# Altium PCB PT-MIS-PCB-001_v1.PcbDoc (part 1 of 2) (continued)
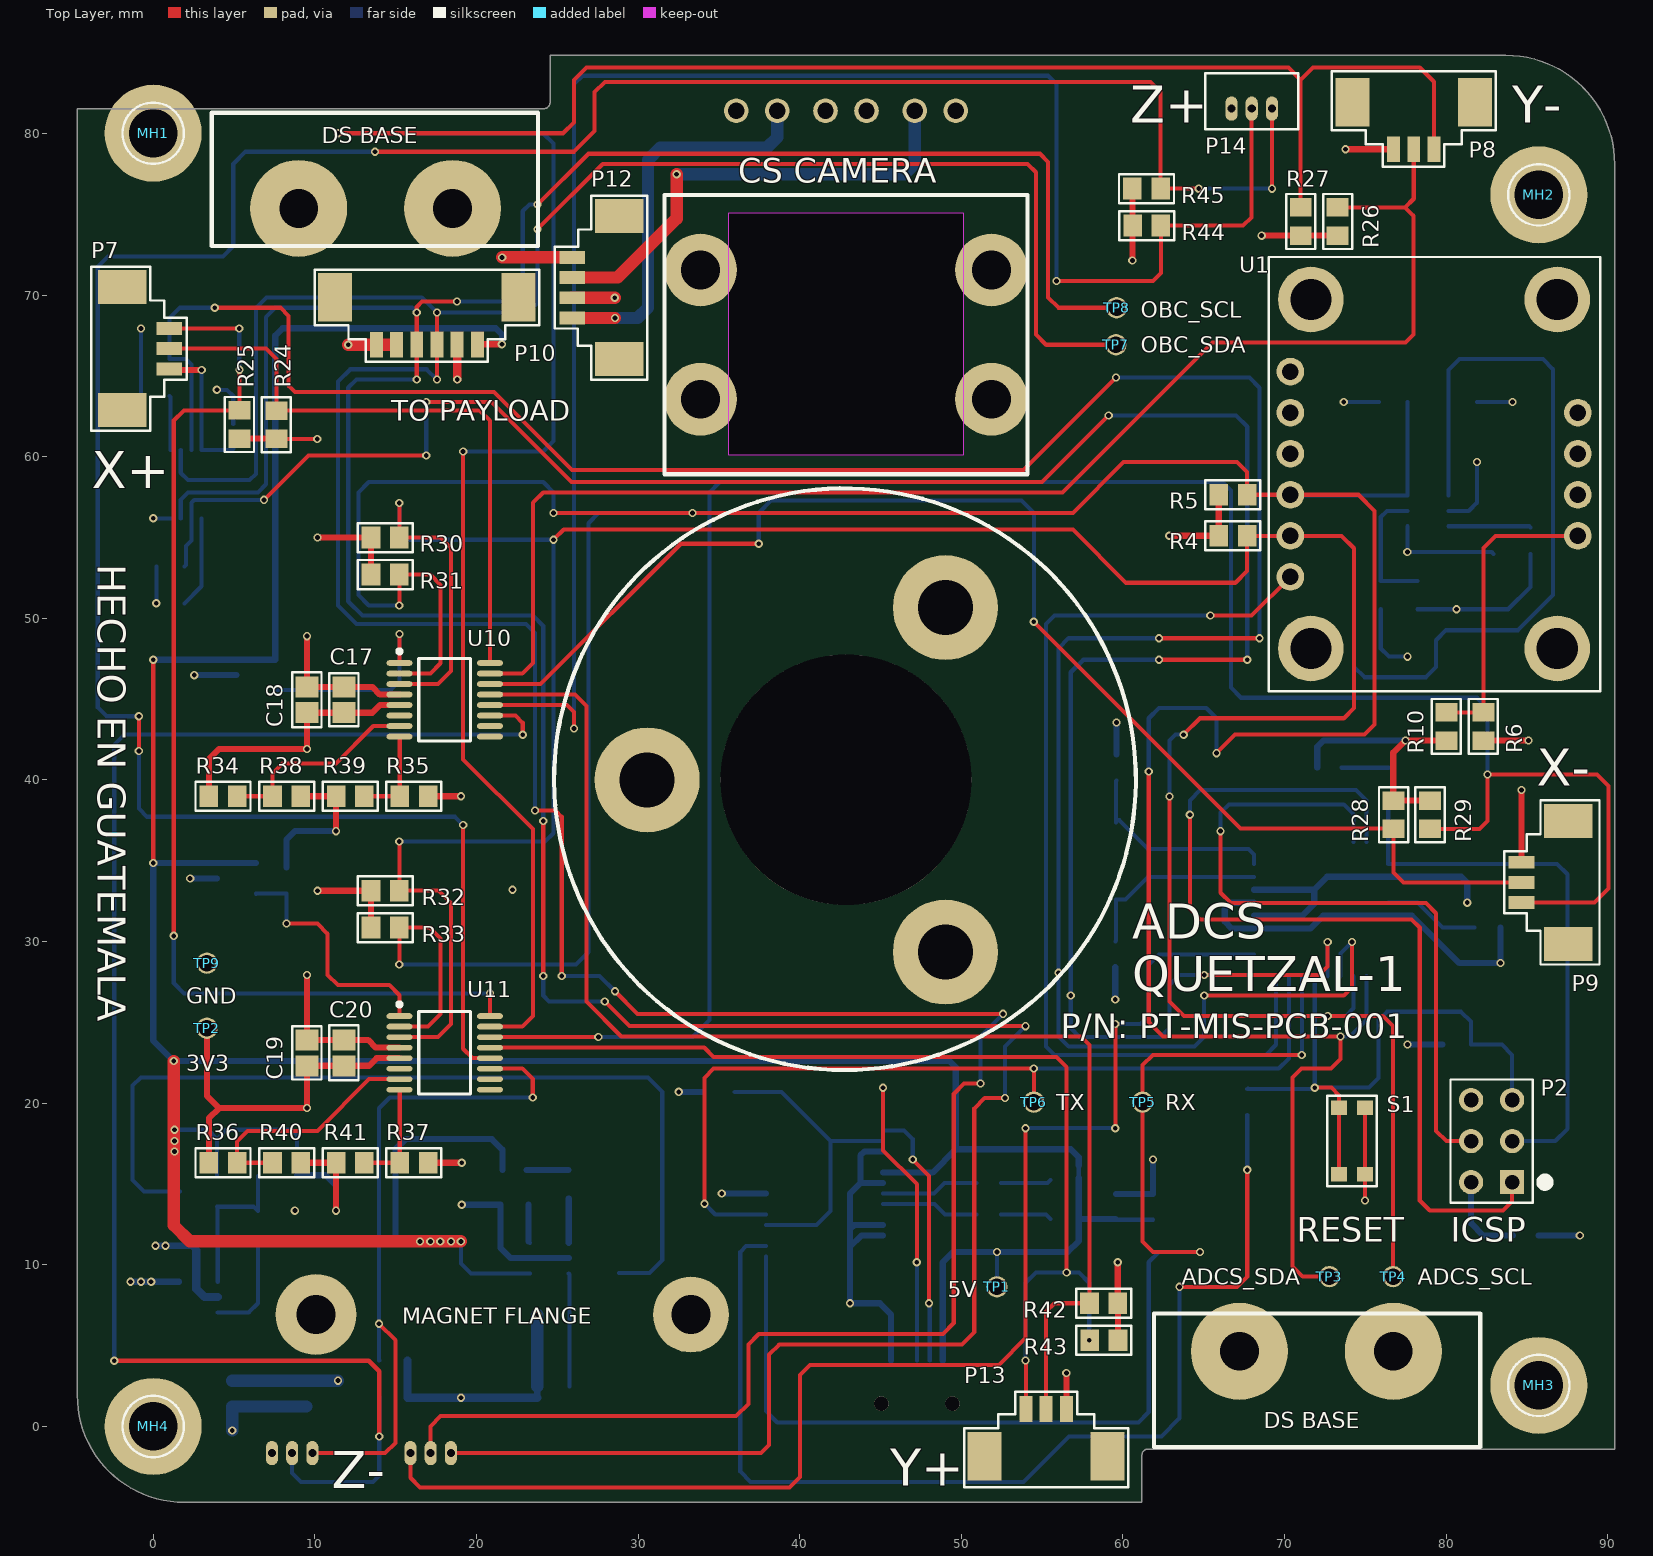
[diagram p0: Top Layer view]
## Part data (continued)
P10: "6 Positions Header, Shrouded Connector 0.049\" (1.25mm) Surface Mount, Right Angle Tin", Colour=Natural, Contact Resistance=20mR, Current Rating=1A, Flammability Rating="UL94 V-0", Insulation Resistance=100MR, Manufacturer=Molex, Manufacturer Part Number=53398-0671, Max Operating Temperature=85°C, Min Operating Temperature=-40°C, Package Quantity=1000, Supplier Part Number 1=WM7610DKR-ND, Voltage Rating=125V, Body Plating=Tin, ComponentLink1Description=https://datasheet.ciiva.com/16658/0533980671-pcb-headers-16658433.pdf, ComponentLink1URL=https://datasheet.ciiva.com/16658/0533980671-pcb-headers-16658433.pdf, ComponentLink2Description=https://datasheet.ciiva.com/34303/1932643-34303345.pdf, ComponentLink2URL=https://datasheet.ciiva.com/34303/1932643-34303345.pdf, ComponentLink3Description=https://datasheet.ciiva.com/5153/0533980671-pcb-headers-256970-5153159.pdf, ComponentLink3URL=https://datasheet.ciiva.com/5153/0533980671-pcb-headers-256970-5153159.pdf, ComponentLink4Description=https://datasheet.ciiva.com/14156/gf116833-116846-e-14156247.pdf, ComponentLink4URL=https://datasheet.ciiva.com/14156/gf116833-116846-e-14156247.pdf, ComponentLink5Description=https://datasheet.ciiva.com/46393/1849224-46393479.pdf, ComponentLink5URL=https://datasheet.ciiva.com/46393/1849224-46393479.pdf, ComponentLink6Description=https://datasheet.ciiva.com/7917/1849224-7917050.pdf, ComponentLink6URL=https://datasheet.ciiva.com/7917/1849224-7917050.pdf, ComponentLink7Description=https://datasheet.ciiva.com/7917/1849224-7917051.pdf, ComponentLink7URL=https://datasheet.ciiva.com/7917/1849224-7917051.pdf, ComponentLink8Description=https://datasheet.ciiva.com/18454/70090674-18454268.pdf, ComponentLink8URL=https://datasheet.ciiva.com/18454/70090674-18454268.pdf, ComponentLink9Description=https://datasheet.ciiva.com/11747/0900766b8078fc9e-11747389.pdf, ComponentLink9URL=https://datasheet.ciiva.com/11747/0900766b8078fc9e-11747389.pdf, ComponentLink10Description=https://datasheet.ciiva.com/22683/1632143-22683422.pdf, ComponentLink10URL=https://datasheet.ciiva.com/22683/1632143-22683422.pdf, Contact Material=Bronze,Tin, Contact Plating=Tin, Gender=Male, Glow Wire Compliant=Non-compliant, Housing Colour=Natural, Housing Material=Nylon, Lead Free="Lead Free", Lead Pitch=1.25mm, Mount="Surface Mount", Number of Circuits=6, Number of Contacts=6, Number of Positions=6, Number of Rows=1, Orientation=Vertical, Packaging="Tape and Reel", Pitch=1.25mm, Pricing 1="1=1.42, 10=1.249, 100=1.0776, 500=0.8817 (USD)", Radiation Hardening=No, REACH SVHC=Unknown, Stock 1=40236, Supplier 1=Digi-Key, Termination=Solder, Voltage Rating (AC)=125V, Voltage Rating (DC)=125V, Working Voltage=125V
P11: "CONN HEADER 3POS 1.25MM VERT TIN", Color=Natural, Manufacturer=Molex, Supplier Part Number 1=WM1732-ND, Category="Connectors, Interconnects", ComponentLink1Description=https://datasheet.ciiva.com/6813/530470310-sd-6813731.pdf, ComponentLink1URL=https://datasheet.ciiva.com/6813/530470310-sd-6813731.pdf, ComponentLink2Description=https://datasheet.ciiva.com/3935/92660530470310-pcb-headers-3935129.pdf, ComponentLink2URL=https://datasheet.ciiva.com/3935/92660530470310-pcb-headers-3935129.pdf, ComponentLink3Description=https://datasheet.ciiva.com/3117/0530470310-pcb-headers-3117581.pdf, ComponentLink3URL=https://datasheet.ciiva.com/3117/0530470310-pcb-headers-3117581.pdf, Connector Type="Header, Shrouded", Contact Finish=Tin, Contact Finish Thickness="35µin (0.90µm)", Contact Mating Length="0.089\" (2.25mm)", Contact Type="Blade Pin", Family="Rectangular Connectors - Headers, Male Pins", Fastening Type=-, Features=-, Manufacturer Part Number=0530470310, Mounting Type="Through Hole", Number of Positions=3, Number of Positions Loaded=All, Number of Rows=1, Packaging=Tray, Pitch="0.049\" (1.25mm)", Pricing 1="1=0.42, 10=0.393, 100=0.2751, 500=0.2358, 1000=0.1965, 5000=0.1685, 10000=0.1572 (USD)", Row Spacing=-, Series="PicoBlade™ 53047", Stock 1=22343, Supplier 1=Digi-Key, Termination=Solder
P12: "4 Positions Header, Shrouded Connector 0.049\" (1.25mm) Surface Mount, Right Angle Tin", Colour=Natural, Contact Resistance=20mR, Current Rating=1A, Flammability Rating="UL94 V-0", Insulation Resistance=100MR, Manufacturer=Molex, Manufacturer Part Number=53398-0471, Max Operating Temperature=85°C, Min Operating Temperature=-40°C, Package Quantity=1000, Supplier Part Number 1=WM7608CT-ND, Voltage Rating=125V, Body Plating=Tin, ComponentLink1Description=https://datasheet.ciiva.com/5154/0533980471-pcb-headers-171069-5154864.pdf, ComponentLink1URL=https://datasheet.ciiva.com/5154/0533980471-pcb-headers-171069-5154864.pdf, ComponentLink2Description=https://datasheet.ciiva.com/39121/1932627-39121616.pdf, ComponentLink2URL=https://datasheet.ciiva.com/39121/1932627-39121616.pdf, ComponentLink3Description=https://datasheet.ciiva.com/23964/0533980471-pcb-headers-23964130.pdf, ComponentLink3URL=https://datasheet.ciiva.com/23964/0533980471-pcb-headers-23964130.pdf, ComponentLink4Description=https://datasheet.ciiva.com/14156/gf116833-116846-e-14156245.pdf, ComponentLink4URL=https://datasheet.ciiva.com/14156/gf116833-116846-e-14156245.pdf, ComponentLink5Description=https://datasheet.ciiva.com/28592/0533980471-pcb-headers-28592022.pdf, ComponentLink5URL=https://datasheet.ciiva.com/28592/0533980471-pcb-headers-28592022.pdf, ComponentLink6Description=https://datasheet.ciiva.com/22700/1841151-22700615.pdf, ComponentLink6URL=https://datasheet.ciiva.com/22700/1841151-22700615.pdf, ComponentLink7Description=https://datasheet.ciiva.com/30178/225160533980471-pcb-headers-30178167.pdf, ComponentLink7URL=https://datasheet.ciiva.com/30178/225160533980471-pcb-headers-30178167.pdf, ComponentLink8Description=https://datasheet.ciiva.com/11748/0900766b80ab946a-11748472.pdf, ComponentLink8URL=https://datasheet.ciiva.com/11748/0900766b80ab946a-11748472.pdf, ComponentLink9Description=https://datasheet.ciiva.com/31408/0533980471-pcb-headers-31408393.pdf, ComponentLink9URL=https://datasheet.ciiva.com/31408/0533980471-pcb-headers-31408393.pdf, ComponentLink10Description=https://datasheet.ciiva.com/46384/1788582-46384012.pdf, ComponentLink10URL=https://datasheet.ciiva.com/46384/1788582-46384012.pdf, ComponentLink11Description=https://datasheet.ciiva.com/9468/0533980471-pcb-headers-9468286.pdf, ComponentLink11URL=https://datasheet.ciiva.com/9468/0533980471-pcb-headers-9468286.pdf, ComponentLink12Description=https://datasheet.ciiva.com/16658/0533980471-pcb-headers-16658431.pdf, ComponentLink12URL=https://datasheet.ciiva.com/16658/0533980471-pcb-headers-16658431.pdf, Contact Material=Bronze,Brass,Tin, Contact Plating=Tin, Gender=Male, Glow Wire Compliant=Non-compliant, Housing Colour=Natural, Housing Material=Nylon, Lead Free="Lead Free", Lead Pitch=1.25mm, Mount="Surface Mount", Number of Circuits=4, Number of Contacts=4, Number of Positions=4, Number of Rows=1, Orientation=Vertical, Packaging="Tape and Reel", Pitch=1.25mm, Pricing 1="1=1.19, 10=1.044, 100=0.901, 500=0.73716 (USD)", Radiation Hardening=No, REACH SVHC=Unknown, Stock 1=49208, Supplier 1=Digi-Key, Termination=Solder, Voltage Rating (AC)=125V, Voltage Rating (DC)=125V, Working Voltage=125V
P14 P15: "Conn Wire to Board HDR 3 POS 1.25mm Solder ST Thru-Hole PicoBlade™ Tray", Color=Natural, Manufacturer=Molex, Supplier Part Number 1=WM1732-ND, Category="Connectors, Interconnects", ComponentLink1Description=https://datasheet.ciiva.com/6813/530470310-sd-6813731.pdf, ComponentLink1URL=https://datasheet.ciiva.com/6813/530470310-sd-6813731.pdf, ComponentLink2Description=https://datasheet.ciiva.com/3935/92660530470310-pcb-headers-3935129.pdf, ComponentLink2URL=https://datasheet.ciiva.com/3935/92660530470310-pcb-headers-3935129.pdf, ComponentLink3Description=https://datasheet.ciiva.com/3117/0530470310-pcb-headers-3117581.pdf, ComponentLink3URL=https://datasheet.ciiva.com/3117/0530470310-pcb-headers-3117581.pdf, Connector Type="Header, Shrouded", Contact Finish=Tin, Contact Finish Thickness="35µin (0.90µm)", Contact Mating Length="0.089\" (2.25mm)", Contact Type="Blade Pin", Family="Rectangular Connectors - Headers, Male Pins", Fastening Type=-, Features=-, Manufacturer Part Number=0530470310, Mounting Type="Through Hole", Number of Positions=3, Number of Positions Loaded=All, Number of Rows=1, Packaging=Tray, Pitch="0.049\" (1.25mm)", Pricing 1="1=0.42, 10=0.393, 100=0.2751, 500=0.2358, 1000=0.1965, 5000=0.1685, 10000=0.1572 (USD)", Row Spacing=-, Series="PicoBlade™ 53047", Stock 1=22343, Supplier 1=Digi-Key, Termination=Solder
Q1: "MOSFET P-CH 20V 4A SOT-23", Drain-Source On Resistance-Max="39 mO", Drain-to-Source Voltage [Vdss]="20 V", Manufacturer=Diodes, Rated Power Dissipation="900 mW", Supplier Part Number 1=DMG3415UDICT-ND, Channel Type=P-Channel, ComponentLink1Description=https://datasheet.ciiva.com/11174/ds31735-11174977.pdf, ComponentLink1URL=https://datasheet.ciiva.com/11174/ds31735-11174977.pdf, ComponentLink2Description=https://datasheet.ciiva.com/935/ds31735-935013.pdf, ComponentLink2URL=https://datasheet.ciiva.com/935/ds31735-935013.pdf, ComponentLink3Description=https://datasheet.ciiva.com/935/ds31735-935014.pdf, ComponentLink3URL=https://datasheet.ciiva.com/935/ds31735-935014.pdf, ComponentLink4Description=https://datasheet.ciiva.com/935/ds31735-935015.pdf, ComponentLink4URL=https://datasheet.ciiva.com/935/ds31735-935015.pdf, ComponentLink5Description=https://datasheet.ciiva.com/13061/ds31735-64958-13061831.pdf, ComponentLink5URL=https://datasheet.ciiva.com/13061/ds31735-64958-13061831.pdf, ComponentLink6Description=https://datasheet.ciiva.com/22712/1915618-22712394.pdf, ComponentLink6URL=https://datasheet.ciiva.com/22712/1915618-22712394.pdf, ComponentLink7Description=https://datasheet.ciiva.com/8023/ds31735-8023980.pdf, ComponentLink7URL=https://datasheet.ciiva.com/8023/ds31735-8023980.pdf, ComponentLink8Description=https://datasheet.ciiva.com/8115/ds31735-8115357.pdf, ComponentLink8URL=https://datasheet.ciiva.com/8115/ds31735-8115357.pdf, ComponentLink9Description=https://datasheet.ciiva.com/16387/ds31735-16387485.pdf, ComponentLink9URL=https://datasheet.ciiva.com/16387/ds31735-16387485.pdf, Manufacturer Part Number=DMG3415U-7, Pricing 1="1=0.54, 10=0.38, 100=0.2493, 500=0.1473, 1000=0.1133 (USD)", Qg Gate Charge="9.1 nC", Stock 1=2010, Supplier 1=Digi-Key
R1 R2 R7 R8 R11 R14 R15: "RES SMD 10K OHM 1% 1/8W 0805", Case Code - in=0805, Case Code - mm=2012, Manufacturer=Yageo, Operating Temperature Range="- 55 C to + 155 C", Power Rating="125 mW (1/8 W)", Resistance=10k, Supplier Part Number 1=311-10.0KCRCT-ND, Temperature Coefficient="100 PPM / C", Tolerance="1 %", Voltage Rating="150 V", ComponentLink1Description=https://datasheet.ciiva.com/11808/0900766b8106beab-11808151.pdf, ComponentLink1URL=https://datasheet.ciiva.com/11808/0900766b8106beab-11808151.pdf, ComponentLink2Description=https://datasheet.ciiva.com/12669/rc0805-12669688.pdf, ComponentLink2URL=https://datasheet.ciiva.com/12669/rc0805-12669688.pdf, ComponentLink3Description=https://datasheet.ciiva.com/46447/444164-46447563.pdf, ComponentLink3URL=https://datasheet.ciiva.com/46447/444164-46447563.pdf, ComponentLink4Description=https://datasheet.ciiva.com/2456/pyu-r-int-thick-7-2456972.pdf, ComponentLink4URL=https://datasheet.ciiva.com/2456/pyu-r-int-thick-7-2456972.pdf, ComponentLink5Description=https://datasheet.ciiva.com/2456/pyu-r-int-thick-7-2456973.pdf, ComponentLink5URL=https://datasheet.ciiva.com/2456/pyu-r-int-thick-7-2456973.pdf, ComponentLink6Description=https://datasheet.ciiva.com/2456/pyu-r-int-thick-7-2456974.pdf, ComponentLink6URL=https://datasheet.ciiva.com/2456/pyu-r-int-thick-7-2456974.pdf, ComponentLink7Description=https://datasheet.ciiva.com/16747/rc0805-16747087.pdf, ComponentLink7URL=https://datasheet.ciiva.com/16747/rc0805-16747087.pdf, Manufacturer Part Number=RC0805FR-0710KL, Packaging=Reel, Pricing 1="1=0.1, 10=0.022, 100=0.0088, 1000=0.004, 2500=0.0034 (USD)", Product="Thick Film Resistors General Purpose", Series=RC, Stock 1=19355771, Supplier 1=Digi-Key, Termination Style=SMD/SMT
R3 R13 R16 R17 R18: "RNCP 0805 0.25W 1kO ±1% ±100ppm/°C High Power Anti-Sulfur ThinFilm Chip Resistor", Manufacturer="Stackpole Electronics", Operating Temperature="-55°C ~ 155°C", Package / Case="0805 (2012 Metric)", Power (Watts)="0.25W, 1/4W", Resistance (Ohms)=1k, Supplier Device Package=0805, Supplier Part Number 1=RNCP0805FTD1K00CT-ND, Temperature Coefficient=±100ppm/°C, Tolerance=±1%, Category=Resistors, ComponentLink1Description=http://www.seielect.com/Catalog/SEI-rncp.pdf, ComponentLink1URL=http://www.seielect.com/Catalog/SEI-rncp.pdf, Composition="Thin Film", Family="Chip Resistor - Surface Mount", Features="Anti-Sulfur, Moisture Resistant", Height="0.024\" (0.60mm)", Manufacturer Part Number=RNCP0805FTD1K00, Number of Terminations=2, Packaging="Tape & Reel (TR)", Pricing 1="1=0.1, 10=0.037, 100=0.015, 1000=0.0067, 2500=0.0058 (USD)", Series=RNCP, Size / Dimension="0.079\" L x 0.049\" W (2.00mm x 1.25mm)", Stock 1=95093, Supplier 1=Digi-Key
R4 R5 R6 R10 R20 R21 R22 R30 R31 R32 R33 R34 R35 R36 R37 R38 R39 R40 R41: "RES SMD 10K OHM 0.5% 1/10W 0805", Case Code - in=0805, Case Code - mm=2012, Manufacturer=Susumu, Operating Temperature Range="- 55 C to + 125 C", Package / Case="0805 (2012 metric)", Power Rating="100 mW", Resistance=10k, Supplier Part Number 1=RR12P10.0KDCT-ND, Temperature Coefficient="25 PPM / C", Tolerance="0.5 %", Voltage Rating="100 V", Brand=Susumu, ComponentLink1Description=https://datasheet.ciiva.com/2487/rr-data-sheet-2487031.pdf, ComponentLink1URL=https://datasheet.ciiva.com/2487/rr-data-sheet-2487031.pdf, ComponentLink2Description=https://datasheet.ciiva.com/2487/rr-data-sheet-2487032.pdf, ComponentLink2URL=https://datasheet.ciiva.com/2487/rr-data-sheet-2487032.pdf, ComponentLink3Description=https://datasheet.ciiva.com/11820/0900766b80808d64-11820664.pdf, ComponentLink3URL=https://datasheet.ciiva.com/11820/0900766b80808d64-11820664.pdf, ComponentLink4Description=https://datasheet.ciiva.com/2487/rr-data-sheet-2487033.pdf, ComponentLink4URL=https://datasheet.ciiva.com/2487/rr-data-sheet-2487033.pdf, ComponentLink5Description=https://datasheet.ciiva.com/7984/1581132-7984412.pdf, ComponentLink5URL=https://datasheet.ciiva.com/7984/1581132-7984412.pdf, Height="0.4 mm", Length="2 mm", Manufacturer Part Number=RR1220P-103-D, Packaging=Reel, Pricing 1="1=0.11, 10=0.098, 100=0.0376, 1000=0.0165, 2500=0.0143 (USD)", Product="Thin Film Resistors SMD", Product Category="Thin Film Resistors", RoHS=True, Stock 1=841412, Supplier 1=Digi-Key, Termination Style=SMD/SMT, Unit Weight="0.000194 oz", Width="1.25 mm"
R9 R12 R23: "RES SMD 100K OHM 5% 1/4W 0805", Manufacturer="Stackpole Electronics", Operating Temperature="-55°C ~ 155°C", Package / Case="0805 (2012 Metric)", Power (Watts)="0.25W, 1/4W", Resistance (Ohms)=100k, Standard Package=5,000, Supplier Device Package=0805, Supplier Part Number 1=RPC0805JT100KCT-ND, Temperature Coefficient=±100ppm/°C, Tolerance=±5%, Category=Resistors, ComponentLink1Description=https://www.seielect.com/Catalog/SEI-rpc.pdf, ComponentLink1URL=https://www.seielect.com/Catalog/SEI-rpc.pdf, ComponentLink2Description=http://www.seielect.com/Catalog/SEI-RPC.pdf, ComponentLink2URL=http://www.seielect.com/Catalog/SEI-RPC.pdf, Composition="Thick Film", Family="Chip Resistor - Surface Mount", Features="Pulse Withstanding", Height="0.028\" (0.70mm)", Manufacturer Part Number=RPC0805JT100K, Minimum Quantity=100k, Number of Terminations=2, Packaging="Tape & Reel (TR)", Pricing 1="1=0.2, 10=0.173, 100=0.0676, 1000=0.0283, 2500=0.026 (USD)", Product Training Modules="Pulse Handling Resistor Solutions", Quantity Available="Tape & Reel (TR)", RoHS Information="RoHS Compliance", Series=RPC, Size / Dimension="0.079\" L x 0.049\" W (2.00mm x 1.25mm)", Stock 1=10226, Supplier 1=Digi-Key, Unit PriceUSD=RPC
R19: "YAGEO (PHYCOMP)         RC0805FR-0710ML             SMD Chip Resistor, Thick Film, 10 Mohm, 150 V, 0805 [2012 Metric], 250 mW,  1%, RC Series", Case Code - in=0805, Case Code - mm=2012, Manufacturer=Yageo, Operating Temperature Range="- 55 C to + 155 C", Power Rating="125 mW (1/8 W)", Resistance=1M, Supplier Part Number 1=311-10.0MCRCT-ND, Temperature Coefficient="100 PPM / C", Tolerance="1 %", Voltage Rating="150 V", ComponentLink1Description=https://datasheet.ciiva.com/11819/0900766b8106beab-11819794.pdf, ComponentLink1URL=https://datasheet.ciiva.com/11819/0900766b8106beab-11819794.pdf, ComponentLink2Description=https://datasheet.ciiva.com/7941/444164-7941685.pdf, ComponentLink2URL=https://datasheet.ciiva.com/7941/444164-7941685.pdf, ComponentLink3Description=https://datasheet.ciiva.com/7941/444164-7941686.pdf, ComponentLink3URL=https://datasheet.ciiva.com/7941/444164-7941686.pdf, ComponentLink4Description=https://datasheet.ciiva.com/46447/444164-46447564.pdf, ComponentLink4URL=https://datasheet.ciiva.com/46447/444164-46447564.pdf, ComponentLink5Description=https://datasheet.ciiva.com/12667/rc0805-12667934.pdf, ComponentLink5URL=https://datasheet.ciiva.com/12667/rc0805-12667934.pdf, ComponentLink6Description=https://datasheet.ciiva.com/16741/rc0805-16741023.pdf, ComponentLink6URL=https://datasheet.ciiva.com/16741/rc0805-16741023.pdf, Manufacturer Part Number=RC0805FR-0710ML, Packaging=Reel, Pricing 1="1=0.1, 10=0.023, 100=0.0095, 1000=0.0043, 2500=0.0037 (USD)", Product="Thick Film Resistors General Purpose", Series=RC, Stock 1=689794, Supplier 1=Digi-Key, Termination Style=SMD/SMT
R24 R25 R26 R27 R28 R29 R42 R43 R44 R45 R46 R47: "RES SMD 59K OHM 0.1% 1/8W 0805", Case/Package=0805, Case Code (Metric)=2012, Manufacturer=Panasonic, Max Operating Temperature=155°C, Max Power Dissipation=125mW, Min Operating Temperature=-55°C, Package Quantity=1, Resistance=59k, Supplier Part Number 1=P59KDACT-ND, Temperature Coefficient=25ppm/°C, Tolerance=0.1%, Voltage Rating=100V, Case Code (Imperial)=0805, ComponentLink1Description=http://industrial.panasonic.com/www-data/pdf/AOA0000/AOA0000CE26.pdf?src-supplier=Avnet, ComponentLink1URL=http://industrial.panasonic.com/www-data/pdf/AOA0000/AOA0000CE26.pdf?src-supplier=Avnet, ComponentLink2Description=http://www.farnell.com/datasheets/485442.pdf?src-supplier=Farnell, ComponentLink2URL=http://www.farnell.com/datasheets/485442.pdf?src-supplier=Farnell, ComponentLink3Description=http://industrial.panasonic.com/www-data/pdf/AOA0000/AOA0000CE26.pdf?src-supplier=Avnet+Europe, ComponentLink3URL=http://industrial.panasonic.com/www-data/pdf/AOA0000/AOA0000CE26.pdf?src-supplier=Avnet+Europe, ComponentLink4Description=http://uk.rs-online.com/webdocs/0eb1/0900766b80eb1d8c.pdf?src-supplier=RSComponents, ComponentLink4URL=http://uk.rs-online.com/webdocs/0eb1/0900766b80eb1d8c.pdf?src-supplier=RSComponents, ComponentLink5Description=http://www.produktinfo.conrad.com/datenblaetter/1100000-1199999/001181336-da-01-en-WIDERSTAND_ERA_0805_59K0_0_1__5000ST.pdf?src-supplier=Conrad, ComponentLink5URL=http://www.produktinfo.conrad.com/datenblaetter/1100000-1199999/001181336-da-01-en-WIDERSTAND_ERA_0805_59K0_0_1__5000ST.pdf?src-supplier=Conrad, Composition="Metal Film,Thin Film", Contact Plating=Tin, Depth=1.25mm, Features="Automotive AEC-Q200", Height=0.5mm, Lead Free="Lead Free", Length=2mm, Manufacturer Part Number=ERA6AEB5902V, Military Standard=Not, Mount="Surface Mount", Number of Pins=2, Number of Terminations=2, Packaging="Tape and Reel", Power Rating=125mW, Pricing 1="1=0.36, 10=0.302, 100=0.1182, 1000=0.04948, 2500=0.04536 (USD)", Radiation Hardening=No, Stock 1=12781, Supplier 1=Digi-Key, Termination=Solder, Voltage Rating (DC)=100V, Width=1.25mm
S1: "SWITCH TACTILE SPST-NO 50MA 32V", Manufacturer="ITT C&K", Max Operating Temperature=85°C, Min Operating Temperature=-40°C, Operating Force=300gf, Ratings="Dust Tight,IP67,Waterproof", Supplier Part Number 1=CKN10685DKR-ND, Actuator Type=Standard, Illumination Type=Non-Illuminated, Manufacturer Part Number=KMR631NGULCLFS, Mechanical Life=150000Cycles, Mount="Surface Mount", Packaging="Tape and Reel", Stock 1=0, Supplier 1=Digi-Key, Switch Function=Off-Mom, Termination="Gull Wing", Throw Configuration=SPST
TP1 TP2 TP3 TP4 TP5 TP6 TP7 TP8 TP9: library part Testpoint
U1: "A 9-DOF A O IMU F B - BNO055", Manufacturer="Adafruit Industries", Supplier Part Number 1=1528-1426-ND, Voltage - Supply=-, Category="Programmers, Development Systems", ComponentLink1Description=https://learn.adafruit.com/downloads/pdf/adafruit-bno055-absolute-orientation-sensor.pdf, ComponentLink1URL=https://learn.adafruit.com/downloads/pdf/adafruit-bno055-absolute-orientation-sensor.pdf, Embedded="Yes, MCU, 32-Bit", Family="Evaluation Boards - Sensors", Interface=-, Manufacturer Part Number=2472, Pricing 1="1=34.95 (USD)", Sensing Range=-, Sensitivity=-, Sensor Type="Accelerometer, Gyroscope, Magnetometer, 3 Axis", Series=-, Stock 1=281, Supplied Contents=Board, Supplier 1=Digi-Key, Utilized IC / Part=BNO055
U2: "SENSOR DIGITAL -55C-125C SOT23-6", Manufacturer="Texas Instruments", Max Operating Temperature=125°C, Min Operating Temperature=-40°C, Supplier Part Number 1=296-48716-6-ND, Interface=2-Wire,I2C,SMBus, Manufacturer Part Number=TMP100AQDBVRQ1, Pricing 1="1=2.08, 10=1.872, 100=1.505, 500=1.23652, 1000=1.02454 (USD)", Stock 1=2243, Supplier 1=Digi-Key
U3: "MICROCHIP         MCP73831T-2ATI/OT             Single Cell Li Ion/Li Polymer Charge Management Controller in SOT-23-5 Package", Manufacturer=Microchip, Maximum Operating Temperature="+85 °C", Maximum Output Current=500mA, Maximum Output Voltage="4.232 V", Minimum Operating Temperature="-40 °C", Minimum Output Current=15mA, Minimum Output Voltage="4.168 V", Package Type=SOT-23, Supplier Part Number 1=MCP73831T-2ATI/OTCT-ND, Typical Operating Supply Voltage="3.75 ? 6 V", Battery Type="Lithium-Ion, Lithium-Polymer", ComponentLink1Description=https://datasheet.ciiva.com/1931/21984e-1931956.pdf, ComponentLink1URL=https://datasheet.ciiva.com/1931/21984e-1931956.pdf, ComponentLink2Description=https://datasheet.ciiva.com/1931/21984e-1931957.pdf, ComponentLink2URL=https://datasheet.ciiva.com/1931/21984e-1931957.pdf, ComponentLink3Description=https://datasheet.ciiva.com/1931/21984e-1931958.pdf, ComponentLink3URL=https://datasheet.ciiva.com/1931/21984e-1931958.pdf, ComponentLink4Description=https://datasheet.ciiva.com/17299/21984e-17299304.pdf, ComponentLink4URL=https://datasheet.ciiva.com/17299/21984e-17299304.pdf, ComponentLink5Description=https://datasheet.ciiva.com/1137/630369-1137804.pdf, ComponentLink5URL=https://datasheet.ciiva.com/1137/630369-1137804.pdf, ComponentLink6Description=https://datasheet.ciiva.com/8039/630369-8039388.pdf, ComponentLink6URL=https://datasheet.ciiva.com/8039/630369-8039388.pdf, ComponentLink7Description=https://datasheet.ciiva.com/16217/filehandler-aspxddocname-en025112-16217052.pdf, ComponentLink7URL=https://datasheet.ciiva.com/16217/filehandler-aspxddocname-en025112-16217052.pdf, ComponentLink8Description=https://datasheet.ciiva.com/3213/21984e-3213405.pdf, ComponentLink8URL=https://datasheet.ciiva.com/3213/21984e-3213405.pdf, ComponentLink9Description=https://datasheet.ciiva.com/26344/651522-da-01-en-contr-mcp73831t-2ati-ot-sot-23-5-mcp-26344457.pdf, ComponentLink9URL=https://datasheet.ciiva.com/26344/651522-da-01-en-contr-mcp73831t-2ati-ot-sot-23-5-mcp-26344457.pdf, Dimensions="3.1 x 1.8 x 1.3mm", Height=1.3mm, Length=3.1mm, Manufacturer Part Number=MCP73831T-2ATI/OT, Mounting Type="Surface Mount", Pin Count=5, Pricing 1="1=0.59, 25=0.4984, 100=0.4452 (USD)", Stock 1=3788, Supplier 1=Digi-Key, Width=1.8mm
U4: "IC REG LDO 3.3V 0.6A SOT25", Input Voltage Range="2.5 to 6 V", Junction to Case="96 C/W", Manufacturer=Diodes, Maximum Dropout Voltage @ Current="0.008@10mA|0.2@300mA|0.4@600mA V", Maximum Input Voltage="6 V", Maximum Output Current="0.6 A", Maximum Quiescent Current="0.08 mA", Max Processing Temp=260, Minimum Input Voltage="2.5 V", Operating Temperature="-40 to 85 C", Output Voltage="3.3 V", Supplier Part Number 1=AP2112K-3.3TRG1DICT-ND, Typical Dropout Voltage @ Current="0.005@10mA|0.125@300mA|0.25@600mA V", Typical Quiescent Current="0.055 mA", Accuracy="1.5 %", ComponentLink1Description=https://datasheet.ciiva.com/30016/ap2112-30016792.pdf, ComponentLink1URL=https://datasheet.ciiva.com/30016/ap2112-30016792.pdf, ComponentLink2Description=https://datasheet.ciiva.com/29569/ap2112-29569917.pdf, ComponentLink2URL=https://datasheet.ciiva.com/29569/ap2112-29569917.pdf, ComponentLink3Description=https://datasheet.ciiva.com/29569/ap2112-29569918.pdf, ComponentLink3URL=https://datasheet.ciiva.com/29569/ap2112-29569918.pdf, ComponentLink4Description=https://datasheet.ciiva.com/29569/ap2112-29569919.pdf, ComponentLink4URL=https://datasheet.ciiva.com/29569/ap2112-29569919.pdf, Function=LDO, Junction to Ambient="184 C/W", Line Regulation="0.1 %/V", Load Regulation="1000 %/mA", Manufacturer Part Number=AP2112K-3.3TRG1, Mounting="Surface Mount", Number of Outputs=1, Output Type=Fixed, Polarity=Positive, Pricing 1="1=0.48, 10=0.362, 100=0.2255, 500=0.1543, 1000=0.1187 (USD)", Screening Level=Industrial, Stock 1=156715, Supplier 1=Digi-Key
U5: library part ATMEGA328P-AUR, "MCU 8-bit ATmega AVR RISC 32KB Flash 2.5V/3.3V/5V 32-Pin TQFP T/R", Manufacturer="Microchip / Atmel", Operating Temperature="-40°C ~ 85°C", Package / Case=32-TQFP, Standard Package=2,000, Voltage - Supply (Vcc/Vdd)="1.8 V ~ 5.5 V", Category="Integrated Circuits (ICs)", ComponentLink1Description=http://www.atmel.com/images/atmel-8271-8-bit-avr-microcontroller-atmega48a-48pa-88a-88pa-168a-168pa-328-328p_datasheet_summary.pdf, ComponentLink1URL=http://www.atmel.com/images/atmel-8271-8-bit-avr-microcontroller-atmega48a-48pa-88a-88pa-168a-168pa-328-328p_datasheet_summary.pdf, Connectivity="I²C, SPI, UART/USART", Core Processor=AVR, Core Size=8-Bit, Data Converters="A/D 8x10b", Dynamic Catalog="AVR® ATmega", EEPROM Size="1K x 8", Family="Embedded - Microcontrollers", For Use With="ATSTK600-RC29-ND / - STK600 ROUTING CARD AVR", Manufacturer Part Number=ATMEGA328P-AUR, Number of I /O=23, Oscillator Type=Internal, Other Names=ATMEGA328P-AUR-ND, Packaging="Tape & Reel (TR)", Peripherals="Brown-out Detect/Reset, POR, PWM, WDT", Pricing 1="1=2.2, 25=2.0248, 100=1.8338 (USD)", Product Training Modules="MCU Product Line Introduction /  / megaAVR Introduction", Program Memory Size="32KB (16K x 16)", Program Memory Type=FLASH, RAM Size="2K x 8", Series="AVR® ATmega", Speed=20MHz, Stock 1=41082, Supplier 1=Digi-Key, Supplier Part Number 1=ATMEGA328P-AURCT-ND
U6: "IC USB FS SERIAL UART 28-SSOP", Case/Package=SSOP, Manufacturer=FTDI, Max Operating Temperature=85°C, Max Supply Voltage=5.25V, Min Operating Temperature=-40°C, Min Supply Voltage=3.3V, Operating Supply Current=15mA, Package Quantity=2000, Supplier Part Number 1=768-1007-6-ND, Voltage=5V, ComponentLink1Description=https://datasheet.ciiva.com/34304/2161019-34304054.pdf, ComponentLink1URL=https://datasheet.ciiva.com/34304/2161019-34304054.pdf, ComponentLink2Description=https://datasheet.ciiva.com/1787/ds-ft232r-1787047.pdf, ComponentLink2URL=https://datasheet.ciiva.com/1787/ds-ft232r-1787047.pdf, ComponentLink3Description=https://datasheet.ciiva.com/1787/ds-ft232r-1787048.pdf, ComponentLink3URL=https://datasheet.ciiva.com/1787/ds-ft232r-1787048.pdf, ComponentLink4Description=https://datasheet.ciiva.com/1787/ds-ft232r-1787049.pdf, ComponentLink4URL=https://datasheet.ciiva.com/1787/ds-ft232r-1787049.pdf, ComponentLink5Description=https://datasheet.ciiva.com/4787/ds-ft232r-11534-4787658.pdf, ComponentLink5URL=https://datasheet.ciiva.com/4787/ds-ft232r-11534-4787658.pdf, ComponentLink6Description=https://datasheet.ciiva.com/15150/getdatasheetpartid-643207-15150506.pdf, ComponentLink6URL=https://datasheet.ciiva.com/15150/getdatasheetpartid-643207-15150506.pdf, ComponentLink7Description=https://datasheet.ciiva.com/16200/ds-ft232r-16200652.pdf, ComponentLink7URL=https://datasheet.ciiva.com/16200/ds-ft232r-16200652.pdf, ComponentLink8Description=https://datasheet.ciiva.com/26841/ft232rl-reel-26841080.pdf, ComponentLink8URL=https://datasheet.ciiva.com/26841/ft232rl-reel-26841080.pdf, Data Rate=12Mbps, Height=1.75mm, Interface=RS-232,RS-422,RS-485,UART, Lead Free="Lead Free", Length=10.2mm, Manufacturer Part Number=FT232RL-REEL, Mount="Surface Mount", Number of Channels=1, Number of Pins=28, Number of Transceivers=1, Packaging="Tape and Reel", Pricing 1="1=4.5, 10=4.05, 100=3.65, 250=3.25, 500=2.85002, 1000=2.65 (USD)", Radiation Hardening=No, REACH SVHC="No SVHC", Stock 1=281044, Supplier 1=Digi-Key, Weight=0.080001oz, Width=5.3mm
U7 U8: "TEXAS INSTRUMENTS   LM4120AIM5-3.3/NOPB   VOLTAGE REF, SERIES, 3.3V, SOT-23-5", Case/Package=SOT-23, Dropout Voltage=180mV, Manufacturer="Texas Instruments", Max Input Voltage=14V, Max Operating Temperature=85°C, Max Output Current=5mA, Max Output Voltage=3.3V, Max Power Dissipation=350mW, Min Input Voltage=2V, Min Operating Temperature=-40°C, Nominal Supply Current=160uA, Package Quantity=1000, Supplier Part Number 1=LM4120AIM5-3.3/NOPBDKR-ND, Temperature Coefficient=50ppm/°C, Tolerance=0.2%, ComponentLink1Description=https://datasheet.ciiva.com/15148/getdatasheetpartid-98048-15148598.pdf, ComponentLink1URL=https://datasheet.ciiva.com/15148/getdatasheetpartid-98048-15148598.pdf, ComponentLink2Description=https://datasheet.ciiva.com/3236/lm4120-3236008.pdf, ComponentLink2URL=https://datasheet.ciiva.com/3236/lm4120-3236008.pdf, ComponentLink3Description=https://datasheet.ciiva.com/6597/lm4120-6597544.pdf, ComponentLink3URL=https://datasheet.ciiva.com/6597/lm4120-6597544.pdf, ComponentLink4Description=https://datasheet.ciiva.com/8060/37011-8060248.pdf, ComponentLink4URL=https://datasheet.ciiva.com/8060/37011-8060248.pdf, ComponentLink5Description=https://datasheet.ciiva.com/26064/lm4120-26064202.pdf, ComponentLink5URL=https://datasheet.ciiva.com/26064/lm4120-26064202.pdf, ComponentLink6Description=https://datasheet.ciiva.com/3236/lm4120-3236603.pdf, ComponentLink6URL=https://datasheet.ciiva.com/3236/lm4120-3236603.pdf, ComponentLink7Description=https://datasheet.ciiva.com/6597/lm4120-6597534.pdf, ComponentLink7URL=https://datasheet.ciiva.com/6597/lm4120-6597534.pdf, ComponentLink8Description=https://datasheet.ciiva.com/34301/887588-34301662.pdf, ComponentLink8URL=https://datasheet.ciiva.com/34301/887588-34301662.pdf, Height=1.02mm, Lead Free="Lead Free", Length=2.92mm, Manufacturer Part Number=LM4120AIM5-3.3/NOPB, Mount="Surface Mount", Number of Channels=1, Number of Pins=5, Output Current=5mA, Output Voltage=3.3V, Packaging="Tape and Reel", Pricing 1="1=2.19, 10=1.965, 100=1.5796, 500=1.2978 (USD)", Quiescent Current=160uA, Radiation Hardening=No, REACH SVHC="No SVHC", Reference Type=Series,Fixed, Reference Voltage=3.3V, Stock 1=24909, Supplier 1=Digi-Key, Width=1.6mm
U9: "IC REDRIVER I2C HOTSWAP 8VSSOP", Case/Package=VSSOP, Manufacturer="Texas Instruments", Max Frequency=400kHz, Max Operating Temperature=85°C, Max Supply Current=7mA, Max Supply Voltage=5.5V, Min Operating Temperature=-40°C, Min Supply Voltage=2.7V, Operating Supply Current=5.1mA, Package Quantity=1, Supplier Part Number 1=296-28328-1-ND, ComponentLink1Description=https://datasheet.ciiva.com/1783/tca4311a-1783458.pdf?src-supplier=Digi-Key, ComponentLink1URL=https://datasheet.ciiva.com/1783/tca4311a-1783458.pdf?src-supplier=Digi-Key, ComponentLink2Description=https://datasheet.ciiva.com/15100/getdatasheetpartid-690615-15100141.pdf?src-supplier=Verical, ComponentLink2URL=https://datasheet.ciiva.com/15100/getdatasheetpartid-690615-15100141.pdf?src-supplier=Verical, ComponentLink3Description=https://datasheet.ciiva.com/1783/tca4311a-1783459.pdf?src-supplier=Digi-Key, ComponentLink3URL=https://datasheet.ciiva.com/1783/tca4311a-1783459.pdf?src-supplier=Digi-Key, ComponentLink4Description=https://datasheet.ciiva.com/1783/tca4311a-1783460.pdf?src-supplier=Digi-Key, ComponentLink4URL=https://datasheet.ciiva.com/1783/tca4311a-1783460.pdf?src-supplier=Digi-Key, ComponentLink5Description=https://datasheet.ciiva.com/3222/tca4311a-3222998.pdf?src-supplier=Avnet, ComponentLink5URL=https://datasheet.ciiva.com/3222/tca4311a-3222998.pdf?src-supplier=Avnet, Depth=3mm, Lead Free="Lead Free", Length=3mm, Manufacturer Part Number=TCA4311ADGKR, Number of Channels=1, Number of Outputs=2, Number of Pins=8, Packaging="Tape and Reel", Pricing 1="1 = 1.46000, 10 = 1.31000, 100 = 1.02100, 500 = 0.84346, 1000 = 0.66590 (USD)", Radiation Hardening=No, REACH SVHC="No SVHC", RoHS=Yes, Stock 1=14332, Supplier 1=Digi-Key, Weight=0.001058oz
U10 U11: "Analog to Digital Converters - ADC", Dual Supply Voltage (Max)="Not RequiredV", Manufacturer="TI National Semiconductor", Operating Temperature Classification=Automotive, Operating Temp Range="-40C to 125C", Package Type=TSSOP, Power Supply Requirement=Single, Rated Input Volt=2.56V, Single Supply Voltage (Max)=5.5V, Single Supply Voltage (Min)=3V, Single Supply Voltage (Typ)=3.3/5V, Supplier Part Number 1=296-41182-1-ND, Architecture=Delta-Sigma, ComponentLink1Description=https://datasheet.ciiva.com/14259/adc128d818-14259977.pdf, ComponentLink1URL=https://datasheet.ciiva.com/14259/adc128d818-14259977.pdf, Differential Input=Yes, Differential Linearity Error=±1LSB, Dual Supply Voltage (Min)="Not RequiredV", Dual Supply Voltage (Typ)="Not RequiredV", Input Polarity=Unipolar, Input Type=Voltage, Integral Nonlinearity Error=-2LSB/4LSB, Manufacturer Part Number=ADC128D818CIMTX/NOPB, Mounting="Surface Mount", Number of  Elements=1, Packaging="Tape and Reel", Pin Count=16, Pricing 1="1=4.68, 10=4.207, 100=3.4466, 500=2.934, 1000=2.4745 (USD)", Resolution=12Bit, Stock 1=0, Supplier 1=Digi-Key
Y1: library part ABM7-8.000MHZ-D2Y-T, "CRYSTAL 8.0000MHZ 18PF SMD", Case/Package=CSMD, ESR (Equivalent Series Resistance)=100R, Frequency Stability=30ppm, Frequency Tolerance=20ppm, Load Capacitance=18pF, Manufacturer=Abracon, Max Operating Temperature=85°C, Min Operating Temperature=-40°C, Package Quantity=1000, Series Resistance=80R, Supplier Part Number 1=535-9831-6-ND, Composition=Ceramic, Depth=3.5mm, Frequency=8MHz, Height=0.055inch, Lead Free="Lead Free", Length=6mm, Manufacturer Part Number=ABM7-8.000MHZ-D2Y-T, Mount="Surface Mount", Number of Pins=2, Packaging="Tape and Reel", Pricing 1="1=0.72, 10=0.633, 50=0.5912, 100=0.5225, 500=0.495 (USD)", Radiation Hardening=No, REACH SVHC=Yes, Stock 1=151370, Supplier 1=Digi-Key, Termination=SMD/SMT, Tolerance=20ppm, Width=0.138inch

## Free pads (board coordinates)
  round 6 hole 2.4: 1(9,75.36) 1(18.525,75.36) 1(67.2,4.65) 1(76.725,4.65)
  round 5 hole 2.4 unplated: 1(10.07,6.92)
  round 6.5 hole 3.4 unplated: 1(30.562,40.005) 1(49.013,29.353) 1(49.013,50.657)
  round 4.7 hole 2.4 unplated: 1(33.27,6.92)
  round 4.5 hole 2.4 unplated: 1(33.862,63.555) 1(33.862,71.555) 1(51.863,63.555) 1(51.863,71.555)
  round 15.5 hole 15.5 unplated: 1(42.862,40.005)

## Via types
v1: diameter 0.508, hole 0.3, Top Layer to Bottom Layer, tented both sides, 166 vias

## Nets (pads, with @x,y where several pads share a name; then routed paths per layer and width w, separated by ;. In a path a pad name is that pad's centre, name@x,y a point inside that pad or via, vN(x,y) a via of type N, cw(c..) or ccw(c..) an arc to the next point about the centre after c; other vN are vias at no path point)
2V35: P6.1 P12.3 | length 29
  Top Layer w0.762: P12.3@25.929,71.08 28.736,71.08 32.385,74.729 v1(32.385,77.47)
  Bottom Layer w0.762: v1(32.385,77.47) 46.482,77.47 47.117,78.105 P6.1@47.117,81.404
3V3: C1.1 C2.2 C3.2 C6.2 C16.2 C17.2 C18.1 C19.2 C20.1 P2.2 P5.1 P7.3 P8.3 P9.3 P10.2 P12.2 P13.3 P14.3 P15.3 R1.2 R2.2 R4.1 R5.1 R6.1 R7.2 R8.2 R15.2 R20.2 R21.2 R22.2 R23.2 R30.1 R31.1 R32.1 R33.1 R34.2 R35.2 R36.2 R37.2 TP2.1 U1.1 U2.4 U4.5 U5.4 U5.6 U5.18 U9.8 U10.5 U11.5 | length 146
  Top Layer w0.381: P7.3@0.995,65.435 1.071,65.359 v1(2.997,65.359) ; TP2.1@3.324,24.638 3.324,20.447 4.075,19.696 ; R36.2@3.443,16.316 3.443,19.064 4.075,19.696 ; R34.2@3.443,38.989 3.443,41.289 4.064,41.91 v1(9.514,41.91) C18.1@9.514,44.158 C17.2@11.8,44.158 13.551,44.158 14.026,44.633 U10.5@15.234,44.633 ; v1(10.16,33.147) R32.1@13.476,33.147 R33.1@13.476,30.861 ; v1(10.16,54.991) R30.1@13.476,54.991 R31.1@13.476,52.705 ; U11.5@15.234,22.789 13.828,22.789 13.353,22.314 C20.1@11.8,22.314 C19.2@9.514,22.314 v1(9.514,19.696) 4.075,19.696 ; R37.2@17.004,16.316 v1(19.091,16.316) ; R35.2@17.004,38.989 v1(19.05,38.989) ; P13.3@56.495,1.069 v1(56.495,3.302) ; v1(62.865,55.103) R4.1@65.927,55.103 R5.1@65.927,57.643 ; v1(73.766,79.015) P8.3@76.738,79.015 ; R6.1@82.296,42.432 v1(85.09,42.432) ; P9.3@84.656,34.905 v1(84.656,39.37)
  Top Layer w0.508: v1(18.806,64.77) P10.2@18.806,66.95
  Top Layer w0.762: P12.2@25.929,69.83 v1(28.555,69.83)
  Bottom Layer w0.254: R20.2@-0.748,63.754 R21.2@-0.748,66.04 v1(-0.748,67.935) ; v1(0.192,50.927) R22.2@0.192,53.213 ; v1(2.997,65.359) U9.8@2.997,60.401 4.864,60.401 C16.2@4.953,60.49 ; v1(73.66,63.373) R1.2@75.85,63.373 ; R7.2@75.946,50.56 75.946,48.133 76.454,47.625 v1(77.611,47.625) ; U2.4@77.592,55.692 v1(77.592,54.102) 82.815,54.102 R8.2@82.931,53.986 ; R2.2@81.901,63.373 v1(84.091,63.373)
  Bottom Layer w0.381: v1(-1.397,8.951) v1(-0.762,8.951) v1(-0.127,8.951) U4.5@1.594,8.951 ; U5.4@68.113,31.604 71.101,31.604 71.832,32.335 71.832,33.204 ; U5.6@68.113,33.204 71.832,33.204 ; v1(77.611,23.622) R15.2@79.77,23.622 ; v1(81.3,32.405) 81.3,33.635 80.931,34.004 U5.18@76.413,34.004 72.632,34.004 71.832,33.204 ; P2.2@81.534,15.117 81.534,12.573 82.3,11.807 C6.2@84.125,11.807 C6.2@84.074,11.858
  Bottom Layer w0.762: C3.2@4.892,2.832 C1.1@9.464,2.832 v1(11.43,2.832)
3V3_REF1: C11.1 U7.5 U10.1 | length 12.6
  Top Layer w0.254: U10.1@15.234,47.233 15.24,47.239 v1(15.24,49.022)
  Bottom Layer w0.254: U7.5@7.55,45.532 7.573,45.555 C11.1@9.514,45.555 14.694,45.555 15.24,46.101 v1(15.24,49.022)
3V3_REF2: C12.1 U8.5 U11.1 | length 15.4
  Top Layer w0.254: v1(8.255,31.115) 10.16,31.115 10.795,30.48 10.795,27.94 11.43,27.305 14.605,27.305 15.234,26.676 U11.1@15.234,25.389
  Bottom Layer w0.254: U8.5@6.35,32.959 6.373,32.982 C12.1@8.255,32.982 v1(8.255,31.115)
5V: C9.2 C10.2 D1.1 D2.1 P3.1 P10.1 Q1.1 R12.2 R16.2 R17.2 TP1.1 U3.4 U6.20 U7.3 U7.4 U8.3 U8.4 | length 233
  Top Layer w0.254: v1(0,34.859) v1(0,47.432) v1@0,47.498
  Top Layer w0.381: P10.1@20.056,66.95 v1(21.569,66.95)
  Top Layer w0.762: v1(1.27,22.606) 1.27,18.355 1.27,12.446 2.268,11.448 v1(16.51,11.448) v1(17.145,11.448) v1(17.762,11.448) v1(18.415,11.448) v1(19.032,11.448)
  Bottom Layer w0.254: v1(1.324,18.355) 3.388,18.355 3.95,17.793 ; Q1.1@3.95,15.495 3.95,17.793 ; R12.2@8.89,17.292 8.89,18.034 8.569,18.355 D2.1@6.477,18.355 4.512,18.355 3.95,17.793 ; 14.986,11.448 v1(16.51,11.448) v1(17.145,11.448) v1(17.762,11.448) v1(18.415,11.448) v1(19.032,11.448) 19.032,10.092 19.66,9.464 U3.4@23.311,9.464 ; TP1.1@52.197,8.636 v1(52.197,10.795) ; R17.2@57.263,15.367 57.263,16.143 57.277,16.129 ; C9.2@59.525,12.827 C9.2@59.563,12.789 C10.2@61.849,12.789
  Bottom Layer w0.381: v1(0,47.432) U7.3@5.15,47.432 U7.4@7.55,47.432 7.55,67.494 8.001,67.945 21.188,67.945 21.569,67.564 v1(21.569,66.95) ; U8.4@6.35,34.859 U8.3@3.95,34.859 v1(0,34.859) 0,23.876 v1(1.27,22.606) 49.276,22.606 49.657,22.225 49.657,17.145 ; 14.986,11.448 14.986,17.145 15.621,17.78 20.955,17.78 21.602,17.133 D1.1@21.602,15.875 ; U6.20@45.154,15.707 48.219,15.707 49.657,17.145 ; P3.1@48.844,4.08 48.844,10.152 49.488,10.795 v1(52.197,10.795) 56.586,10.795 57.263,11.472 R16.2@57.263,12.827 ; R17.2@57.263,15.367 R16.2@57.263,12.827 ; 57.263,16.143 57.263,16.651 56.769,17.145 49.657,17.145 ; C9.2@59.525,12.827 R16.2@57.263,12.827
  other v1: 1.324,17.018 1.324,17.657